# Altium PCB LimePSB-RPCM_1v2.PcbDoc (part 3 of 10) (continued)
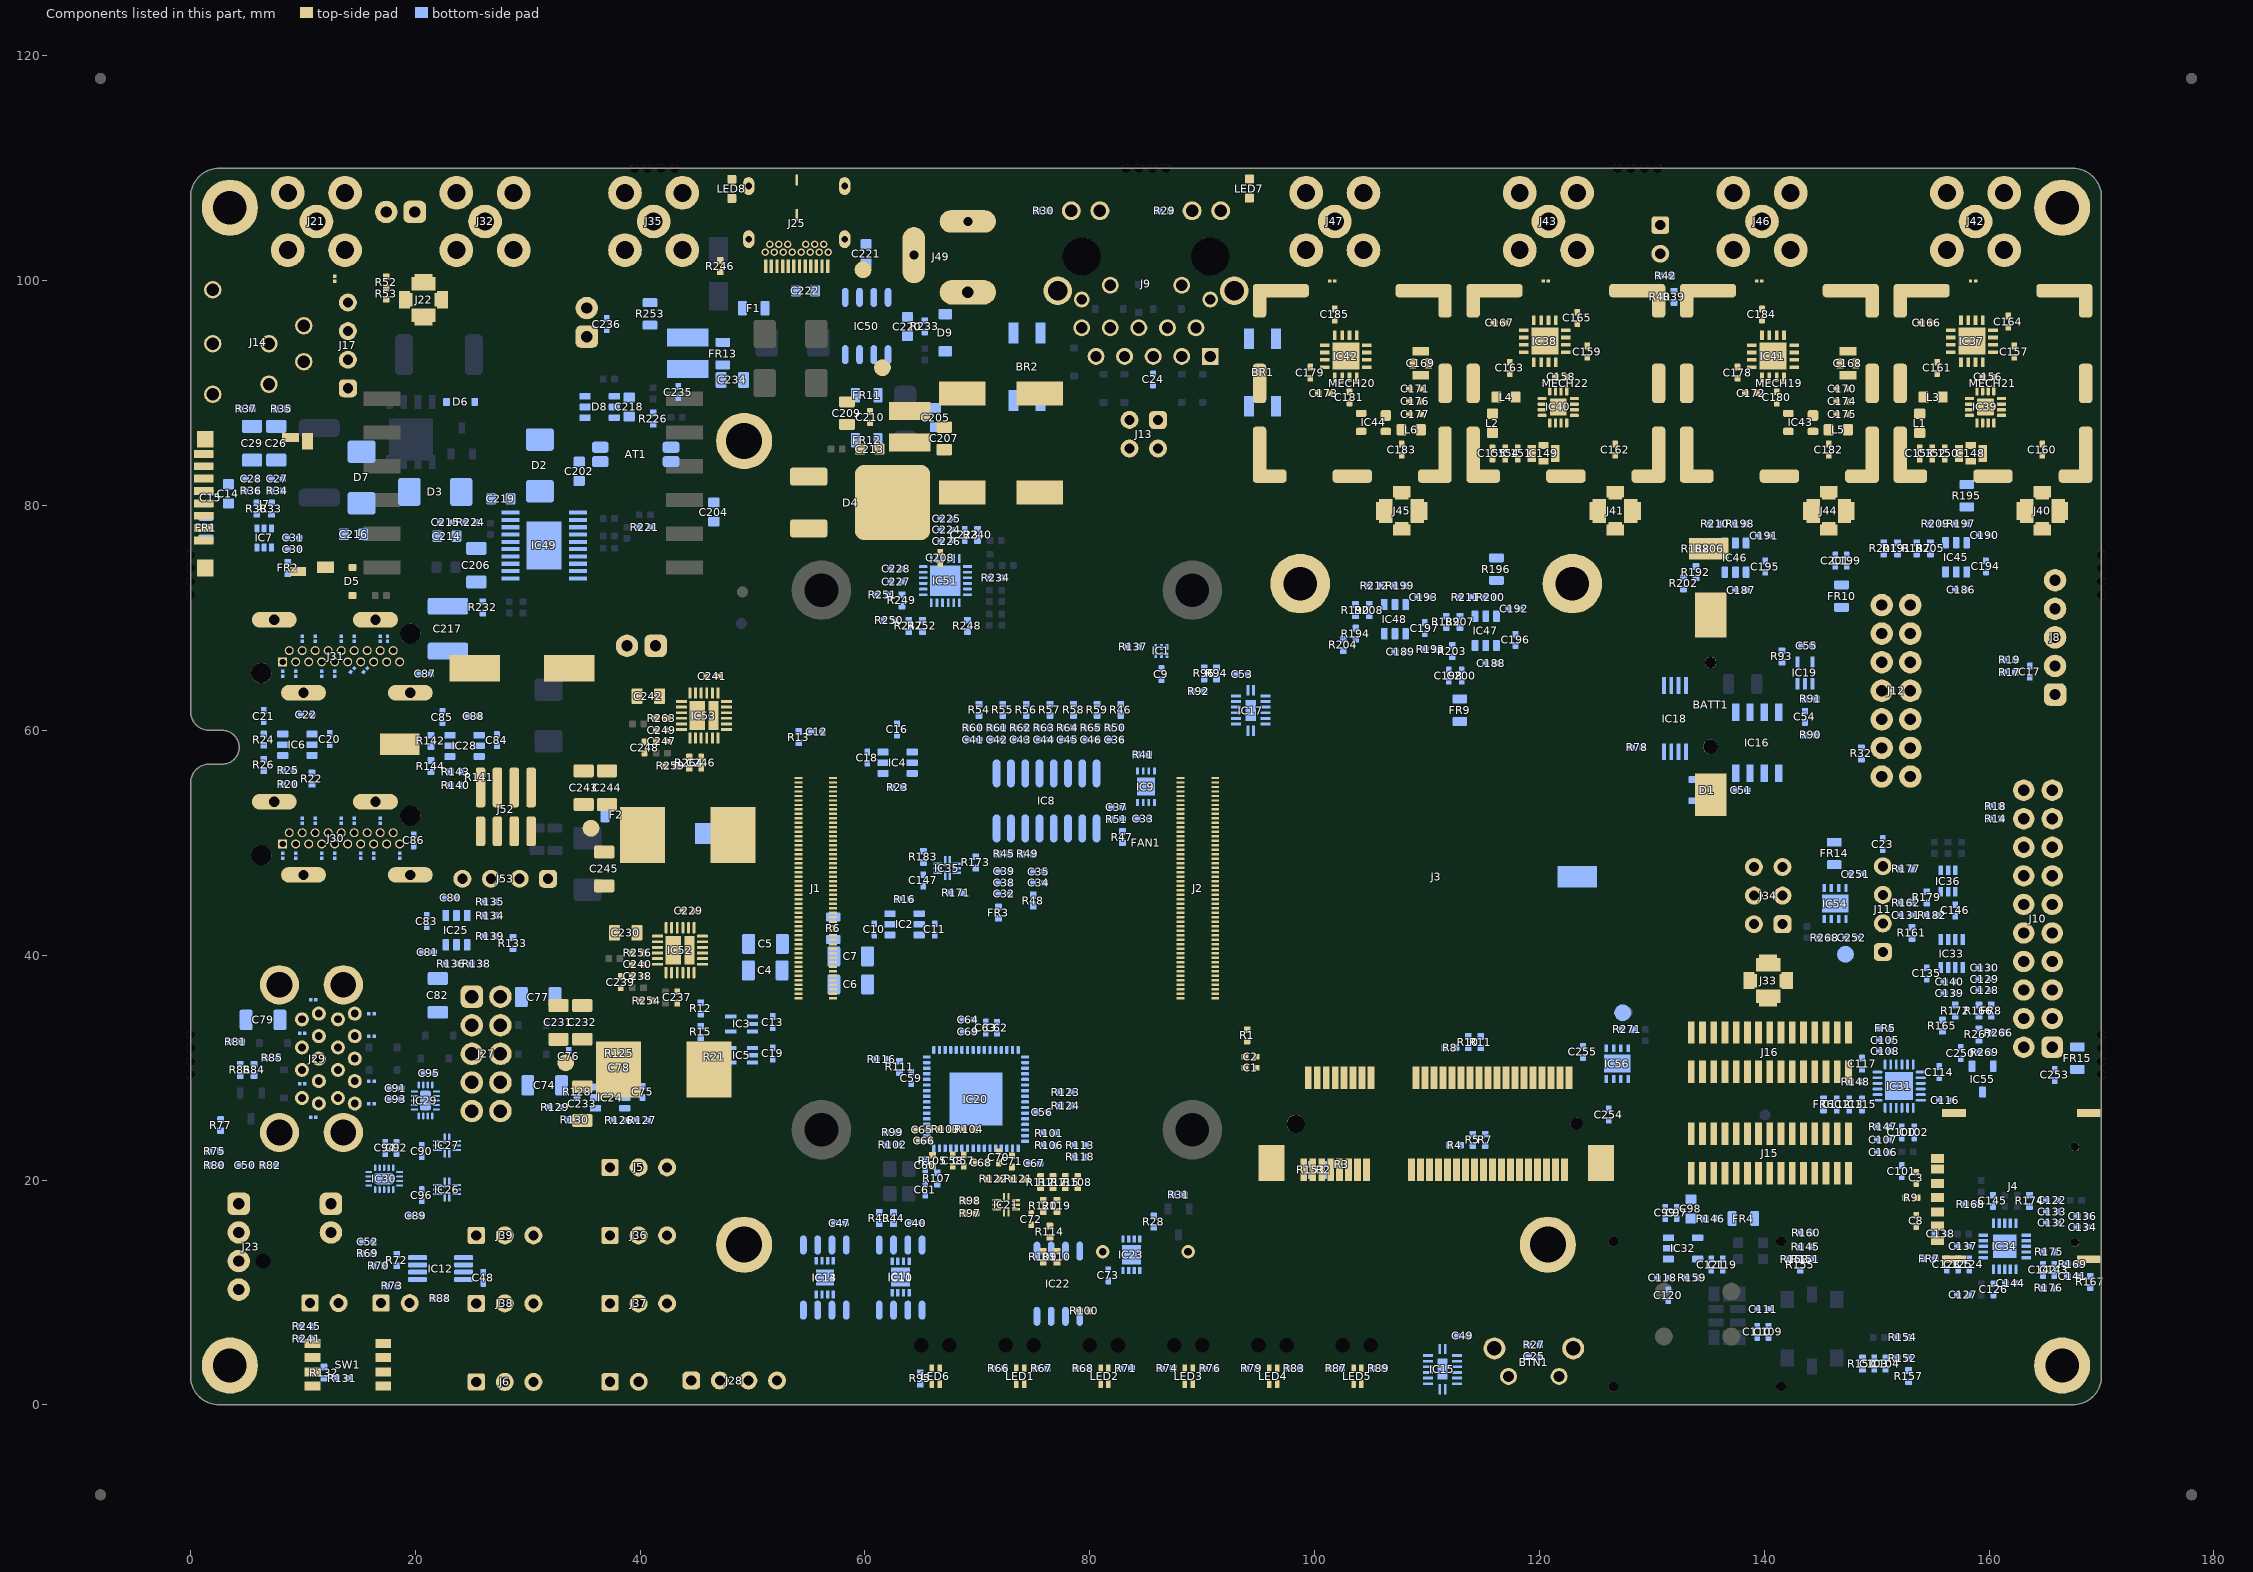
[diagram p7: the components of this part, seen from the top]
## Part data (continued)
ESD1 ESD2 ESD3 ESD4 ESD5 ESD6 ESD7 ESD8 ESD9 ESD10 ESD11 ESD12 ESD13 ESD14 ESD15 ESD16 ESD17 ESD18 ESD19 ESD20 ESD21 ESD22 ESD23 ESD24 ESD25 ESD26 ESD27 ESD28 ESD29 ESD30 ESD31 ESD32 ESD33 ESD34 ESD35 ESD36 ESD37: Capacitance @ Frequency="0.2pF @ 1MHz", Current - Peak Pulse (10/1000µs)="3A (8/20µs)", Manufacturer="ON Semiconductor", Manufacturer Part Number 1=ESD8472MUT5G, Operating Temperature="-55°C ~ 150°C (TJ)", Package / Case=2-XFDFN, Power - Peak Pulse=-, Power Line Protection=No, Supplier Device Package="2-X3DFN (0.62x0.32)", Supplier Part Number 1=ESD8472MUT5GOSCT-ND, Voltage - Breakdown (Min)=7V, Voltage - Clamping (Max) @ Ipp=14V, Voltage - Reverse Standoff (Typ)="5.3V (Max)", Applications="Automotive, RF Antenna", Category="Circuit Protection", ComponentLink1Description=http://www.onsemi.com/pub/Collateral/ESD8472-D.PDF, ComponentLink1URL=http://www.onsemi.com/pub/Collateral/ESD8472-D.PDF, Mounting Type="Surface Mount", Packaging="Cut Tape (CT)", Part Description="TVS DIODE 5.3VWM 14VC X3DFN2", Part Status=Active, Pricing 1="1=0.39, 10=0.315, 100=0.2142, 500=0.16068, 1000=0.12051 (USD)", RoHS="RoHS Compliant", Stock 1=2295, Supplier 1=Digi-Key, Type=Zener
F1 F2 R6 R195 R196 R253: library part Res_0402, Manufacturer="Vishay Dale", Manufacturer Part Number 1=CRCW08050000Z0EA, Operating Temperature="-55°C ~ 155°C", Package / Case="0805 (2012 Metric)", Power (Watts)="0.125W, 1/8W", Resistance (Ohms)=0.0, Supplier Part Number 1=541-0.0ATR-ND, Temperature Coefficient=-, Tolerance=Jumper, Category=Resistors, Composition="Thick Film", Features="Automotive AEC-Q200", Height="0.020\" (0.50mm)", Number of Terminations=2, Packaging="Tape & Reel (TR)", Part Description="RES SMD 0.0 OHM JUMPER 1/8W 0805", RoHS="RoHS Compliant", Size / Dimension="0.079\" L x 0.049\" W (2.00mm x 1.25mm)", Supplier 1=Digi-Key, Supplier Device Package="0805 (2012 Metric)"
  R6 R195 R196: Assembly Info=NF
FAN1: library part 12V_DC_FAN, Case/Package=Axial, Current Rating=163mA, Flammability Rating="UL94 V-0", Manufacturer=Sunon, Manufacturer Part Number 1=ME80151V1-000U-A99, Max Operating Temperature=158°C, Max Power Dissipation=1.96W, Min Operating Temperature=14°C, Package Quantity=30, Supplier Part Number 1=259-1649-ND, Airflow=37CFM, Approvals=UL,CE,TUV, Bearing Type=Vapo-Bearing, ComponentLink1Description=https://datasheet.ciiva.com/18514/me8015-u-18514537.pdf?src-supplier=Digi-Key, ComponentLink1URL=https://datasheet.ciiva.com/18514/me8015-u-18514537.pdf?src-supplier=Digi-Key, Housing Material=Thermoplastic, Noise=34.7dBA, Part Description="Fan Tubeaxial 12VDC Square - 80mm L x 80mm H Vapo-Bearing™ 37.0 CFM (1.04m³/min) 2 Wire Leads", Pricing 1="1=6,90000, 10=6,66700, 25=6,47400, 50=6,08860, 100=5,47200, 250=5,39488, 500=5,04808 (USD)", RoHS=Yes, RPM=3000RPM, Stock 1=1611, Supplier 1=Digi-Key, Termination="2 Wire Leads", Weight=0.15lb, Width=15mm
FR1 FR4 FR9 FR10 FR11 FR12 FR13 FR14 FR15: library part Ferrite, Current Rating=2A, DC Resistance (DCR)="100 mOhm Max", Impedance @ Frequency="600 Ohm @ 100MHz", Manufacturer="TDK Corporation", Manufacturer Part Number 1=MPZ2012S601AT000, Package / Case="0805 (2012 Metric)", Supplier Part Number 1=445-2206-2-ND, Category=Filters, Filter Type="Differential Mode - Single", Height (Max)="0.041\" (1.05mm)", Mounting Type="Surface Mount", Packaging="Tape & Reel (TR)", Part Description="FERRITE BEAD 600 OHM 0805 1LN", RoHS="RoHS Compliant", Size / Dimension="0.079\" L x 0.049\" W (2.00mm x 1.25mm)", Supplier 1=Digi-Key
  FR13 FR15: Assembly Info=NF
FR2 FR3 FR5 FR6 FR7 FR8: library part Ferrite, Case/Package=0402, Case Code (Metric)=1005, Current Rating=500mA, DC Resistance (DCR)=340mR, Manufacturer=Murata, Manufacturer Part Number 1=BLM15AX601SN1D, Max Operating Temperature=125°C, Min Operating Temperature=-55°C, Package Quantity=1, Supplier Part Number 1=490-5441-1-ND, Test Frequency=100MHz, Tolerance=25%, Case Code (Imperial)=0402, ComponentLink1Description=https://www.murata.com/en-us/products/productdata/8796740059166/ENFA0018.pdf?src-supplier=Digi-Key, ComponentLink1URL=https://www.murata.com/en-us/products/productdata/8796740059166/ENFA0018.pdf?src-supplier=Digi-Key, ComponentLink2Description=http://search.murata.co.jp/Ceramy/image/img/PDF/ENG/L0110S0100BLM15AX_SN.pdf?src-supplier=Future+Electronics, ComponentLink2URL=http://search.murata.co.jp/Ceramy/image/img/PDF/ENG/L0110S0100BLM15AX_SN.pdf?src-supplier=Future+Electronics, ComponentLink3Description=http://www.produktinfo.conrad.com/datenblaetter/1100000-1199999/001171675-da-01-en-CHIP_DROSSEL0402_600R_420MA_1_0X0_5MM.pdf?src-supplier=Conrad, ComponentLink3URL=http://www.produktinfo.conrad.com/datenblaetter/1100000-1199999/001171675-da-01-en-CHIP_DROSSEL0402_600R_420MA_1_0X0_5MM.pdf?src-supplier=Conrad, ComponentLink4Description=http://www.produktinfo.conrad.com/datenblaetter/1100000-1199999/001172169-da-01-en-DROSSEL_0402_600R_1_0X0_5MM_10000ST.pdf?src-supplier=Conrad, ComponentLink4URL=http://www.produktinfo.conrad.com/datenblaetter/1100000-1199999/001172169-da-01-en-DROSSEL_0402_600R_1_0X0_5MM_10000ST.pdf?src-supplier=Conrad, Core Material=Ferrite, DC Resistance-Max=340mR, Depth=0.5mm, Height=0.5mm, Impedance=600R, Lead Free="Lead Free", Length=1mm, Material=Steel,Ferrite, Max Current Rating=500mA, Max DC Current=500mA, Number of Circuits=1, Number of Lines=1, Number of Pins=2, Packaging="Tape and Reel", Part Description="- Ferrite Bead 0402 (1005 Metric) 500mA 340mOhm", Pricing 1="1=0.1, 10=0.06, 25=0.0552, 50=0.0496, 100=0.0363, 250=0.0264, 500=0.0242, 1000=0.0209, 5000=0.0165 (USD)", REACH SVHC="No SVHC", RoHS Compliant=Yes, Series=BLM15AX_SN, Stock 1=416370, Supplier 1=Digi-Key, Termination=SMD/SMT, Width=0.5mm
IC1: library part 74LVC1G3157FZ4_SPDT_SW, Manufacturer=Diodes, Manufacturer Part Number 1=74LVC1G3157FZ4-7, Max Operating Temperature=125°C, Min Operating Temperature=-40°C, On-State Resistance=10R, Supplier Part Number 1=74LVC1G3157FZ4-7DICT-ND, -3db Bandwidth=300MHz, ComponentLink1Description=https://www.diodes.com/assets/Datasheets/74LVC1G3157.pdf?src-supplier=Digi-Key, ComponentLink1URL=https://www.diodes.com/assets/Datasheets/74LVC1G3157.pdf?src-supplier=Digi-Key, ComponentLink2Description=https://www.diodes.com/assets/product-showcases/74LVC3157-NPA-0516.pdf?src-supplier=Digi-Key, ComponentLink2URL=https://www.diodes.com/assets/product-showcases/74LVC3157-NPA-0516.pdf?src-supplier=Digi-Key, Number of Circuits=1, Number of Pins=6, Packaging="Tape and Reel", Part Description="1 Circuit IC Switch 2:1 10Ohm X2-DFN1410-6", Pricing 1="1=0,42000, 10=0,31200, 25=0,27320, 100=0,17670, 250=0,14628, 500=0,11702, 1000=0,08972, 2500=0,07802 (USD)", RoHS=Yes, RoHS Compliant=Yes, Stock 1=158709, Supplier 1=Digi-Key
IC2 IC4: Case/Package=SOT-23-6, Manufacturer="Texas Instruments", Manufacturer Part Number 1=SN74AXC1T45DBVR, Max Operating Temperature=125°C, Min Operating Temperature=-40°C, Supplier Part Number 1=296-47598-1-ND, Assembly Info=NF, Channel Type=Bidirectional, ComponentLink1Description=http://www.ti.com/lit/ds/symlink/sn74axc1t45.pdf?src-supplier=Digi-Key, ComponentLink1URL=http://www.ti.com/lit/ds/symlink/sn74axc1t45.pdf?src-supplier=Digi-Key, ComponentLink2Description=http://www.ti.com/general/docs/suppproductinfo.tsp?distId=10&amp;gotoUrl=http%3A%2F%2Fwww.ti.com%2Flit%2Fgpn%2Fsn74axc1t45&src-supplier=Digi-Key, ComponentLink2URL=http://www.ti.com/general/docs/suppproductinfo.tsp?distId=10&amp;gotoUrl=http%3A%2F%2Fwww.ti.com%2Flit%2Fgpn%2Fsn74axc1t45&src-supplier=Digi-Key, Data Rate=500Mbps, Mount="Surface Mount", Number of Bits=1, Number of Circuits=1, Packaging="Cut Tape", Part Description="Voltage Level Translator Bidirectional 1 Circuit 1 Channel 500Mbps SOT-23-6", Pricing 1="1=0,68000, 10=0,59800, 25=0,56200, 100=0,45860, 250=0,42596, 500=0,36252, 1000=0,29002 (USD)", RoHS=Yes, RoHS Compliant=Yes, Stock 1=116252, Supplier 1=Digi-Key
IC3 IC5 IC19: library part 74AHCT1G126SE-7_BUFFER_NON_INV, Manufacturer=Diodes, Supplier Part Number 1=621-74LVC1G34QSE-7, ComponentLink1Description=https://datasheet.ciiva.com/12256/74ahct1g126-80154-12256741.pdf?src-supplier=Mouser, ComponentLink1URL=https://datasheet.ciiva.com/12256/74ahct1g126-80154-12256741.pdf?src-supplier=Mouser, ComponentLink2Description=https://datasheet.ciiva.com/26949/getdatasheetpartid-792439-26949318.pdf?src-supplier=Verical, ComponentLink2URL=https://datasheet.ciiva.com/26949/getdatasheetpartid-792439-26949318.pdf?src-supplier=Verical, ComponentLink3Description=https://datasheet.ciiva.com/1832/74ahct1g126-1832523.pdf?src-supplier=Digi-Key, ComponentLink3URL=https://datasheet.ciiva.com/1832/74ahct1g126-1832523.pdf?src-supplier=Digi-Key, ComponentLink4Description=https://datasheet.ciiva.com/1832/74ahct1g126-1832524.pdf?src-supplier=Digi-Key, ComponentLink4URL=https://datasheet.ciiva.com/1832/74ahct1g126-1832524.pdf?src-supplier=Digi-Key, ComponentLink5Description=https://datasheet.ciiva.com/1154/74ahct1g126-1154309.pdf?src-supplier=Element14, ComponentLink5URL=https://datasheet.ciiva.com/1154/74ahct1g126-1154309.pdf?src-supplier=Element14, ComponentLink6Description=https://datasheet.ciiva.com/26939/getdatasheetpartid-779272-26939183.pdf?src-supplier=Verical, ComponentLink6URL=https://datasheet.ciiva.com/26939/getdatasheetpartid-779272-26939183.pdf?src-supplier=Verical, Manufacturer Part Number 1=74LVC1G34QSE-7, Part Description="Buffers & Line Drivers Logic LVC 1 Gate SOT353 T&R 3K", Pricing 1="1=0,45000, 10=0,33900, 50=0,33900, 100=0,17800, 1000=0,11200, 10000=0,09400 (USD)", RoHS=Yes, Stock 1=1171, Supplier 1=Mouser
IC6 IC24 IC25 IC28 IC45 IC46 IC47 IC48: library part MIC2033_power_switch, Case/Package=SOT-23-6, Manufacturer=Microchip, Manufacturer Part Number 1=MIC2039EYM6-TR, Max Operating Temperature=125°C, Max Output Current=2.5A, Min Operating Temperature=-40°C, Package Quantity=3000, Supplier Part Number 1=576-4193-1-ND, ComponentLink1Description=http://www.mouser.com/ds/2/268/mic2033-b-1076865.pdf?src-supplier=Mouser, ComponentLink1URL=http://www.mouser.com/ds/2/268/mic2033-b-1076865.pdf?src-supplier=Mouser, ComponentLink2Description=http://components.arrow.com/part/dataview/56727820S413982N1374?src-supplier=Arrow+Electronics, ComponentLink2URL=http://components.arrow.com/part/dataview/56727820S413982N1374?src-supplier=Arrow+Electronics, ComponentLink3Description=http://www.microchip.com/mymicrochip/filehandler.aspx?ddocname=en579457&src-supplier=Digi-Key, ComponentLink3URL=http://www.microchip.com/mymicrochip/filehandler.aspx?ddocname=en579457&src-supplier=Digi-Key, ComponentLink4Description=https://datasheet.ciiva.com/6607/mic2039-6607725.pdf?src-supplier=Digi-Key, ComponentLink4URL=https://datasheet.ciiva.com/6607/mic2039-6607725.pdf?src-supplier=Digi-Key, Fault Protection="Over Temperature", Interface=On/Off, Number of Outputs=1, Output Configuration="High Side", Packaging="Tape and Reel", Part Description="Power Switch/Driver 1:1 P-Channel 2.5A SOT-23-6", Pricing 1="1=0,98000, 25=0,80560, 100=0,75000 (USD)", RoHS=No, Series=-, Stock 1=37195, Supplier 1=Digi-Key
IC7: library part NC7WZ16P6X_DUAL_BUFFER, Manufacturer=Nexperia, Manufacturer Part Number 1=74LVC2G34GW,125, Supplier Part Number 1=1727-4219-1-ND, ComponentLink1Description=https://assets.nexperia.com/documents/data-sheet/74LVC2G34.pdf?src-supplier=Digi-Key, ComponentLink1URL=https://assets.nexperia.com/documents/data-sheet/74LVC2G34.pdf?src-supplier=Digi-Key, Part Description="Buffer, Non-Inverting 2 Element 1 Bit per Element Push-Pull Output 6-TSSOP", Pricing 1="1=0,430000, 10=0,321000, 25=0,281200, 100=0,182000, 250=0,150640, 500=0,120520, 1000=0,092400 (USD)", RoHS=Yes, RoHS Compliant=Yes, Stock 1=2900, Supplier 1=Digi-Key
IC8: library part MCP3208-CI/SL, "2.7V 4-Channel/8-Channel 12-Bit A/D Converters with SPI Serial Interface, 16-Pin SOIC 150mil, C Performance Grade, Industrial Temperature", Manufacturer=Microchip, Manufacturer Part Number 1=MCP3208T-CI/SL, Supplier Part Number 1=MCP3208T-CI/SLCT-ND, Mounting Technology="Surface Mount", PackageDescription="16-Lead Plastic Small Outline (SL) - Narrow, 3.90mm Body [SOIC]", PackageReference=SOIC-SL16, PackageVersion="revBB, Aug-2009", Part Description="12 Bit Analog to Digital Converter 4, 8 Input 1 SAR 16-SOIC", PartNumber=MCP3208-CI/SL, Supplier 1=Digi-Key
IC9: Manufacturer="NXP Semiconductors", Manufacturer Part Number 1=LM75BTP,147, Operating Temperature="-55°C ~ 125°C", Package / Case="8-WFDFN Exposed Pad", Sensing Temperature - Remote=-, Supplier Device Package="8-HWSON (2x3)", Supplier Part Number 1=568-9815-2-ND, Voltage - Supply="2.8 V ~ 5.5 V", Accuracy - Highest (Lowest)="±2°C (±3°C)", Category="Sensors, Transducers", Features="Output Switch, Programmable Limit, Shutdown Mode", Output Type=I²C, Packaging="Tape & Reel (TR)", Part Description="SENSOR TEMPERATURE I2C 8HWSON", Resolution="10 b", RoHS="RoHS Compliant", Sensing Temperature - Local="-55°C ~ 125°C", Sensor Type="Digital, Local", Supplier 1=Digi-Key, Test Condition="-25°C ~ 100°C (-55°C ~ 125°C)"
IC10: library part 24FC64F, Base Part Number=CAT24C128, Manufacturer="ON Semiconductor", Operating Temperature="-40°C ~ 85°C (TA)", Package / Case="8-SOIC (0.154\", 3.90mm Width)", Supplier Device Package=8-SOIC, Supplier Part Number 1=CAT24C128WI-GT3CT-ND, Voltage - Supply="1.8 V ~ 5.5 V", Category="Integrated Circuits (ICs)", ComponentLink1Description=http://www.onsemi.com/pub/Collateral/CAT24C128-D.PDF, ComponentLink1URL=http://www.onsemi.com/pub/Collateral/CAT24C128-D.PDF, Manufacturer Part Number 1=CAT24C128WI-GT3, Memory Format=EEPROM, Memory Interface=I²C, Memory Size="128Kb (16K x 8)", Memory Type=Non-Volatile, Mounting Type="Surface Mount", Packaging="Cut Tape (CT)", Part Description="EEPROM Memory IC 128Kb (16K x 8) I²C 1MHz 400ns 8-SOIC", Part Status=Active, Pricing 1="1=0.31, 10=0.309, 100=0.2532, 500=0.24616, 1000=0.23956 (USD)", RoHS="RoHS Compliant", Stock 1=14804, Supplier 1=Digi-Key, Technology=EEPROM, Write Cycle Time - Word, Page=5ms
IC11: library part M24128-DFMC6TG, Manufacturer=STMicroelectronics, Operating Temperature="-40°C ~ 85°C (TA)", Package / Case="8-UFDFN Exposed Pad", Supplier Device Package="8-UFDFPN (2x3)", Supplier Part Number 1=497-15739-1-ND, Voltage - Supply="1.7 V ~ 5.5 V", Assembly Info=NF, Category="Integrated Circuits (ICs)", ComponentLink1Description=http://www.st.com/content/ccc/resource/technical/document/datasheet/59/05/c9/5b/7b/41/48/b6/CD00259167.pdf/files/CD00259167.pdf/jcr:content/translations/en.CD00259167.pdf, ComponentLink1URL=http://www.st.com/content/ccc/resource/technical/document/datasheet/59/05/c9/5b/7b/41/48/b6/CD00259167.pdf/files/CD00259167.pdf/jcr:content/translations/en.CD00259167.pdf, Manufacturer Part Number 1=M24128-DFMC6TG, Memory Format=EEPROM, Memory Interface=I²C, Memory Size="128Kb (16K x 8)", Memory Type=Non-Volatile, Mounting Type="Surface Mount", Packaging="Cut Tape (CT)", Part Description="EEPROM Memory IC 128Kb (16K x 8) I²C 1MHz 450ns 8-UFDFPN (2x3)", Part Status=Active, Pricing 1="1=0.35, 10=0.348, 100=0.2854, 500=0.27748, 1000=0.27004 (USD)", RoHS="RoHS Compliant", Stock 1=5894, Supplier 1=Digi-Key, Technology=EEPROM, Write Cycle Time - Word, Page=5ms
IC12: library part EMC2301-1-ACZL-TR_MOTOR_DRIVER, Case/Package=MSOP, Manufacturer=Microchip, Max Operating Temperature=125°C, Max Supply Voltage=3.6V, Min Operating Temperature=-40°C, Min Supply Voltage=3V, Operating Supply Current=350uA, Operating Supply Voltage=3.3V, Supplier Part Number 1=EMC2301-1-ACZL-CT-ND, ComponentLink1Description=https://datasheet.ciiva.com/29573/2301-29573777.pdf?src-supplier=Digikey, ComponentLink1URL=https://datasheet.ciiva.com/29573/2301-29573777.pdf?src-supplier=Digikey, ComponentLink2Description=https://datasheet.ciiva.com/48437/2301-48437622.pdf?src-supplier=Avnet, ComponentLink2URL=https://datasheet.ciiva.com/48437/2301-48437622.pdf?src-supplier=Avnet, Interface=I2C,SMBus,2-Wire,PWM, Lead Free="Lead Free", Manufacturer Part Number 1=EMC2301-1-ACZL-TR, Max Supply Voltage (DC)=3.6V, Min Supply Voltage (DC)=3V, Mount="Surface Mount", Number of Pins=8, Output Type=Digital, Packaging="Tape and Reel", Part Description="IC MOTOR DRIVER 3V-3.6V 8MSOP", Pricing 1="1=1,23, 25=1,03, 100=0,9875 (USD)", RoHS=Yes, Series=-, Stock 1=45372, Supplier 1=Digikey
IC13: library part ATECC508A_authentication_IC, Base Part Number=ATECC508, Manufacturer="Microchip Technology", Manufacturer Part Number 1=ATECC508A-SSHDA-T, Package / Case="8-SOIC (0.154\", 3.90mm Width)", Supplier Device Package=8-SOIC, Supplier Part Number 1=ATECC508A-SSHDA-TCT-ND, Applications="Networking and Communications", Assembly Info=NF, Category="Integrated Circuits (ICs)", Mounting Type="Surface Mount", Packaging="Cut Tape (CT)", Part Description="Authentication Chip IC Networking and Communications 8-SOIC", Part Status=Active, RoHS="RoHS Compliant", Supplier 1=Digi-Key, Type="Authentication Chip"
IC14: library part ATECC508A_authentication_IC, Manufacturer=Microchip, Manufacturer Part Number 1=ATECC508A-MAHDA-S, Supplier Part Number 1=ATECC508A-MAHDA-SDKR-ND, Part Description="Authentication Chip IC Networking and Communications 8-UDFN (2x3)", Pricing 1="1=0.73, 25=0.7064 (USD)", Stock 1=27941, Supplier 1=Digi-Key
IC15 IC17: library part 74HC595BQ,115, Manufacturer="Nexperia USA Inc.", Manufacturer Part Number 1=74AHC595BQ,115, Operating Temperature="-40°C ~ 125°C", Package / Case="16-VFQFN Exposed Pad", Supplier Device Package="16-DHVQFN (2.5x3.5)", Supplier Part Number 1=1727-6021-2-ND, Voltage - Supply="2 V ~ 5.5 V", Base Part Number=74AHC595, Category="Integrated Circuits (ICs)", ComponentLink1Description=https://assets.nexperia.com/documents/data-sheet/74AHC_AHCT595.pdf, ComponentLink1URL=https://assets.nexperia.com/documents/data-sheet/74AHC_AHCT595.pdf, Function="Serial to Parallel, Serial", Logic Type="Shift Register", Mounting Type="Surface Mount", Output Type=Tri-State, Packaging="Tape & Reel (TR)", Part Description="C 8BIT SHIFT REGISTER 16-DHVQFN", Part Status=Active, Pricing 1="3000=0.17949, 6000=0.16791, 15000=0.15633, 30000=0.14822 (USD)", RoHS="RoHS Compliant", Stock 1=24000, Supplier 1=Digi-Key
IC16: library part PCF85063AT_RTC_CALENDAR, Case/Package=SOIC, Manufacturer="NXP Semiconductors", Manufacturer Part Number 1=PCF85063AT/AY, Max Operating Temperature=85°C, Min Operating Temperature=-40°C, Supplier Part Number 1=568-12403-1-ND, ComponentLink1Description=http://www.farnell.com/datasheets/2014362.pdf?src-supplier=Farnell, ComponentLink1URL=http://www.farnell.com/datasheets/2014362.pdf?src-supplier=Farnell, ComponentLink2Description=https://www.nxp.com/docs/en/data-sheet/PCF85063A.pdf?src-supplier=Digi-Key, ComponentLink2URL=https://www.nxp.com/docs/en/data-sheet/PCF85063A.pdf?src-supplier=Digi-Key, ComponentLink3Description=http://www.nxp.com/documents/data_sheet/PCF85063A.pdf?src-supplier=Avnet, ComponentLink3URL=http://www.nxp.com/documents/data_sheet/PCF85063A.pdf?src-supplier=Avnet, ComponentLink4Description=https://datasheet.ciiva.com/48465/pcf85063a-48465101.pdf?src-supplier=Avnet, ComponentLink4URL=https://datasheet.ciiva.com/48465/pcf85063a-48465101.pdf?src-supplier=Avnet, Date Format=YY-MM-DD-dd, Interface=I2C,Serial,2-Wire, Lead Free="Lead Free", Logic Function=Clock, Mount="Surface Mount", Number of Pins=8, Packaging="Tape and Reel", Part Description="IC RTC CLOCK/CALENDAR I2C 8SO", Pricing 1="1=1,05000, 10=0,93800, 25=0,89040, 100=0,73150, 250=0,68380, 500=0,60428, 1000=0,47707 (USD)", Radiation Hardening=No, RoHS=Yes, RoHS Compliant=Yes, Stock 1=6716, Supplier 1=Digi-Key, Time Format="HH:MM:SS (12/24 hr)"
IC18: library part PCF85063AT_RTC_CALENDAR, Case/Package=TSSOP, Manufacturer="NXP Semiconductors", Manufacturer Part Number=PCF85063ATT/AJ, Max Operating Temperature=85°C, Max Supply Voltage=5.5V, Min Operating Temperature=-40°C, Min Supply Voltage=900mV, Supplier Part Number 1=568-12404-1-ND, Assembly Info=NF, ComponentLink1Description=http://www.farnell.com/datasheets/2014362.pdf?src-supplier=Farnell, ComponentLink1URL=http://www.farnell.com/datasheets/2014362.pdf?src-supplier=Farnell, ComponentLink2Description=https://www.nxp.com/docs/en/data-sheet/PCF85063A.pdf?src-supplier=Digi-Key, ComponentLink2URL=https://www.nxp.com/docs/en/data-sheet/PCF85063A.pdf?src-supplier=Digi-Key, ComponentLink3Description=http://www.nxp.com/documents/data_sheet/PCF85063A.pdf?src-supplier=Avnet, ComponentLink3URL=http://www.nxp.com/documents/data_sheet/PCF85063A.pdf?src-supplier=Avnet, Contact Plating=Gold, Date Format=YY-MM-DD-dd, Interface=I2C,Serial,2-Wire, Lead Free="Lead Free", Logic Function=Clock, Manufacturer Part Number 1=PCF85063ATT/AJ, Mount="Surface Mount", Number of Pins=8, Packaging="Tape and Reel", Part Description="Real Time Clock (RTC) IC Clock/Calendar - I²C, 2-Wire Serial 8-SOIC (0.154\", 3.90mm Width)", Pricing 1="1=1,06000, 10=0,94800, 25=0,89920, 100=0,73870, 250=0,69056, 500=0,61028, 1000=0,50779 (USD)", RoHS=Yes, RoHS Compliant=Yes, Stock 1=56211, Supplier 1=Digi-Key, Time Format="HH:MM:SS (12/24 hr)"
IC20: library part USB2517-JZX-TR_USB_HUB, Manufacturer=Microchip, Manufacturer Part Number 1=USB2517-JZX-TR, Max Operating Temperature=70°C, Min Operating Temperature=0°C, Operating Supply Current=130mA, Package Quantity=3000, Supplier Part Number 1=USB2517-JZX-CT-ND, ComponentLink1Description=https://datasheet.ciiva.com/29644/2517-29644802.pdf?src-supplier=Digi-Key, ComponentLink1URL=https://datasheet.ciiva.com/29644/2517-29644802.pdf?src-supplier=Digi-Key, Interface=USB, Lead Free="Lead Free", Packaging="Tape and Reel", Part Description="USB Hub Controller USB 2.0 USB Interface 64-QFN (9x9)", Pricing 1="1=5,72000, 25=5,55000 (USD)", RoHS=Yes, RoHS Compliant=Yes, Stock 1=26622, Supplier 1=Digi-Key
IC21 IC26 IC27 IC35: library part FSUSB42UMX, Manufacturer="NXP Semiconductors", Manufacturer Part Number 1=NX3DV42GU,115, Supplier Part Number 1=568-12388-1-ND, ComponentLink1Description=https://www.fairchildsemi.com/datasheets/FS/FSUSB42.pdf, ComponentLink1URL=https://www.fairchildsemi.com/datasheets/FS/FSUSB42.pdf, ComponentLink2Description=http://www.mouser.com/ds/2/302/NX3DV42-1127466.pdf?src-supplier=Mouser, ComponentLink2URL=http://www.mouser.com/ds/2/302/NX3DV42-1127466.pdf?src-supplier=Mouser, ComponentLink3Description=http://www.nxp.com/documents/data_sheet/NX3DV42.pdf?src-supplier=Avnet, ComponentLink3URL=http://www.nxp.com/documents/data_sheet/NX3DV42.pdf?src-supplier=Avnet, ComponentLink4Description=http://www.nxp.com/documents/data_sheet/NX3DV42.pdf?src-supplier=Digikey, ComponentLink4URL=http://www.nxp.com/documents/data_sheet/NX3DV42.pdf?src-supplier=Digikey, ComponentLink5Description=https://www.nxp.com/docs/en/data-sheet/NX3DV42.pdf?src-supplier=Digikey, ComponentLink5URL=https://www.nxp.com/docs/en/data-sheet/NX3DV42.pdf?src-supplier=Digikey, Part Description="USB Switch IC 1 Channel 10-UMLP (1.8x1.4)", Pricing 1="1=0,89, 10=0,781, 25=0,7336, 100=0,5987, 250=0,55612, 500=0,47328, 1000=0,37863 (USD)", RoHS=Yes, Stock 1=3109, Supplier 1=Digikey
IC22: library part 24FC64F, Case/Package=SOIC, Frequency=400kHz, Manufacturer=STMicroelectronics, Manufacturer Part Number 1=M24C02-RMN6TP, Max Operating Temperature=85°C, Max Supply Voltage=5.5V, Min Operating Temperature=-40°C, Min Supply Voltage=1.8V, Nominal Supply Current=800uA, Package Quantity=1, Supplier Part Number 1=497-8633-1-ND, Access Time=900ns, Access Time-Max=900ns, Assembly Info=NF, ComponentLink1Description=http://www.onsemi.com/pub/Collateral/CAT24C128-D.PDF, ComponentLink1URL=http://www.onsemi.com/pub/Collateral/CAT24C128-D.PDF, ComponentLink2Description=https://datasheet.ciiva.com/41455/001186000-da-01-en-ic-eeprom-2kbit-m24c02-rmn6tp-soic-8-stm-41455162.pdf?src-supplier=Conrad, ComponentLink2URL=https://datasheet.ciiva.com/41455/001186000-da-01-en-ic-eeprom-2kbit-m24c02-rmn6tp-soic-8-stm-41455162.pdf?src-supplier=Conrad, Contact Plating=Gold, Density=2Kb, Height=1.25mm, Interface=I2C,Serial,2-Wire, Lead Free="Lead Free", Length=4.9mm, Max Frequency=400kHz, Memory Size=2Kb, Memory Type=EEPROM, Mount="Surface Mount", Number of Pins=8, Organization=256X8, Packaging="Tape and Reel", Part Description="IC EEPROM 2KBIT I2C 400KHZ 8SOIC", Pricing 1="1=0,17000, 10=0,16400, 25=0,15200, 50=0,15140, 100=0,13440, 250=0,13272, 500=0,13070, 1000=0,12721 (USD)", Programming Voltage=5.5V, Radiation Hardening=No, Reach SVHC Compliant=Yes, RoHS=Yes, RoHS Compliant=Yes, Series=-, Stock 1=84403, Supplier 1=Digi-Key, Supply Current=800uA, Supply Voltage-Nom=5.5V, Width=3.9mm, Write Cycle Time-Max (tWC)=5ms, Write Protection=YES
IC23: library part M24128-DFMC6TG, Manufacturer=Microchip, Manufacturer Part Number 1=AT24C02C-MAHM-E, Supplier Part Number 1=AT24C02C-MAHM-ECT-ND, Assembly Info=NF, ComponentLink1Description=http://www.st.com/content/ccc/resource/technical/document/datasheet/59/05/c9/5b/7b/41/48/b6/CD00259167.pdf/files/CD00259167.pdf/jcr:content/translations/en.CD00259167.pdf, ComponentLink1URL=http://www.st.com/content/ccc/resource/technical/document/datasheet/59/05/c9/5b/7b/41/48/b6/CD00259167.pdf/files/CD00259167.pdf/jcr:content/translations/en.CD00259167.pdf, ComponentLink2Description=http://www.microchip.com/mymicrochip/filehandler.aspx?ddocname=en590438&src-supplier=Digi-Key, ComponentLink2URL=http://www.microchip.com/mymicrochip/filehandler.aspx?ddocname=en590438&src-supplier=Digi-Key, Part Description="IC EEPROM 2KBIT I2C 1MHZ 8UDFN", Pricing 1="1=0,28000 (USD)", RoHS=No, RoHS Compliant=No, Stock 1=14438, Supplier 1=Digi-Key
IC29 IC30: library part FUSB340TMX_USB_switch, Manufacturer="ON Semiconductor / Fairchild", Max Operating Temperature=85°C, Max Supply Voltage=5V, Min Operating Temperature=-40°C, Min Supply Voltage=1.5V, Nominal Supply Current=12uA, Supplier Part Number 1=FUSB340TMXCT-ND, ComponentLink1Description=http://www.farnell.com/datasheets/2313412.pdf?src-supplier=Farnell, ComponentLink1URL=http://www.farnell.com/datasheets/2313412.pdf?src-supplier=Farnell, ComponentLink2Description=http://www.farnell.com/datasheets/2313412.pdf?src-supplier=Newark, ComponentLink2URL=http://www.farnell.com/datasheets/2313412.pdf?src-supplier=Newark, ComponentLink3Description=https://datasheet.octopart.com/FUSB340TMX-ON-Semiconductor-datasheet-85553255.pdf?src-supplier=Farnell, ComponentLink3URL=https://datasheet.octopart.com/FUSB340TMX-ON-Semiconductor-datasheet-85553255.pdf?src-supplier=Farnell, ComponentLink4Description=https://datasheet.octopart.com/FUSB340TMX-ON-Semiconductor-datasheet-46935021.pdf?src-supplier=Future+Electronics, ComponentLink4URL=https://datasheet.octopart.com/FUSB340TMX-ON-Semiconductor-datasheet-46935021.pdf?src-supplier=Future+Electronics, ComponentLink5Description=https://www.fairchildsemi.com/Assets/-Featured-Collateral/Datasheet-Briefs/FUSB340_PB_Final.pdf?src-supplier=Avnet, ComponentLink5URL=https://www.fairchildsemi.com/Assets/-Featured-Collateral/Datasheet-Briefs/FUSB340_PB_Final.pdf?src-supplier=Avnet, Data Rate=10Gbps, Height=400um, Interface=USB, Manufacturer Part Number 1=FUSB340TMX, Mount="Surface Mount", Number of Pins=18, Number of Switches=4, Operating Supply Current=12uA, Packaging="Cut Tape", Part Description="USB Switch USB 3.1 USB Interface 18-TMLP (2x2.8)", Pricing 1="1=1,15, 10=1,026, 25=0,9744, 100=0,7481, 250=0,66108, 500=0,6263, 1000=0,48712, 2500=0,46277 (USD)", RoHS=Yes, RoHS Compliant=Yes, Series=-, Stock 1=7942, Supplier 1=Digikey, Weight=0.0065g
IC31: Frequency - Max=200MHz, Manufacturer="Texas Instruments", Manufacturer Part Number 1=LMK00105SQ/NOPB, Operating Temperature="-40°C ~ 85°C", Package / Case="24-WFQFN Exposed Pad", Supplier Device Package="24-WQFN (4x4)", Supplier Part Number 1=LMK00105SQ/NOPBCT-ND, Voltage - Supply="2.375 V ~ 3.45 V", Category="Integrated Circuits (ICs)", Differential - Input:Output=Yes/No, Input="HCSL, LVCMOS, LVDS, LVPECL, LVTTL, SSTL, Crystal", Part Description="IC CLK BUFFER 2:5 200MHZ 24WQFN", Supplier 1=Digi-Key, Type="Fanout Buffer (Distribution), Multiplexer, Translator"
IC32: library part LP5907, Case/Package=SOT-23-5, Dropout Voltage=50mV, Manufacturer="Texas Instruments", Manufacturer Part Number 1=LP5907QMFX-3.0Q1, Max Input Voltage=5.5V, Max Operating Temperature=125°C, Max Output Current=250mA, Min Input Voltage=2.2V, Min Operating Temperature=-40°C, Output Voltage=3V, Quiescent Current=425uA, Supplier Part Number 1=296-40364-1-ND, Accuracy=2%, Assembly Info=NF, ComponentLink1Description=https://datasheet.ciiva.com/48677/lp5907-q1-48677562.pdf?src-supplier=Avnet, ComponentLink1URL=https://datasheet.ciiva.com/48677/lp5907-q1-48677562.pdf?src-supplier=Avnet, Lead Free="Lead Free", Mount="Surface Mount", Number of Outputs=1, Number of Regulators=1, Output Current=250mA, Output Type=Fixed, Packaging="Tape and Reel", Part Description="Linear Voltage Regulator IC Positive Fixed 1 Output  250mA SOT-23-5", Polarity=Positive, Pricing 1="1 = 0,65000, 10 = 0,56000, 100 = 0,41820, 500 = 0,32858, 1000 = 0,25390 (USD)", Radiation Hardening=No, RoHS=Yes, Stock 1=90911, Supplier 1=Digi-Key
IC33: Manufacturer="Analog Devices Inc.", Manufacturer Part Number 1=AD5662BRJZ-2REEL7, Operating Temperature="-40°C ~ 125°C", Package / Case=SOT-23-8, Supplier Part Number 1=AD5662BRJZ-2REEL7CT-ND, Voltage - Supply, Analog="2.7 V ~ 5.5 V", Architecture="String DAC", Category="Integrated Circuits (ICs)", ComponentLink1Description=http://www.analog.com/media/en/technical-documentation/data-sheets/AD5662.pdf, ComponentLink1URL=http://www.analog.com/media/en/technical-documentation/data-sheets/AD5662.pdf, Data Interface="SPI, DSP", Differential Output=No, INL/DNL (LSB)="±8, ±1 (Max)", Number of Bits=16, Number of D/A Converters=1, Output Type="Voltage - Buffered", Packaging="Cut Tape (CT)", Part Description="IC DAC 16BIT BUFF V-OUT SOT23-8", Part Status=Active, Pricing 1="1=7.55, 10=6.821, 100=5.6469, 500=4.91722, 1000=4.28274 (USD)", Reference Type=External, RoHS="RoHS Compliant", Settling Time=10µs, Stock 1=2784, Supplier 1=Digi-Key, Supplier Device Package=SOT-23-8, Voltage - Supply, Digital="2.7 V ~ 5.5 V"
IC34: Manufacturer="Analog Devices Inc", Manufacturer Part Number 1=ADF4002BCPZ-RL7, Operating Temperature="-40°C ~ 85°C", Package / Case="20-VFQFN Exposed Pad, CSP", Supplier Part Number 1=ADF4002BCPZ-RL7CT-ND, Voltage - Supply="2.7 V ~ 3.3 V", Category="Integrated Circuits (ICs)", Differential - Input:Output=Yes/No, Input="CMOS, TTL", Mounting Type="Surface Mount", Part Description="IC PLL FREQUENCY SYNTH 20-LFCSP", Ratio - Input:Output=2:1, Supplier=Digi-Key, Supplier 1=Digi-Key, Type="Clock/Frequency Synthesizer (RF), Phase Detector"
IC36: "Single 8-Bit nanoDAC with SPI Interface in LFCSP and SC70, 2.7 to 5.5 V, <100 uA, -40 to +125 degC, KS-6, Pb-Free, Reel", Generic Part Number=AD5601, Manufacturer="Analog Devices", Supplier Part Number 1=AD5601BKSZ-REEL7TR-ND, # DAC Outputs=1, Assembly Info=NF, Code_JEDEC=MO-203-AB, ComponentLink1Description="Manufacturer URL", ComponentLink1URL=http://www.analog.com/en/index.html, ComponentLink2Description=Datasheet, ComponentLink2URL=http://www.analog.com/static/imported-files/data_sheets/AD5601_5611_5621.pdf, ComponentLink3Description="Package Specification", ComponentLink3URL=http://www.analog.com/static/imported-files/packages/PKG_PDF/SC70(KS)/KS_6.pdf, ComponentLink4Description="Product URL", ComponentLink4URL=http://www.analog.com/en/digital-to-analog-converters/da-converters/ad5601/products/product.html, DatasheetVersion=Rev.F, Manufacturer Part Number 1=AD5601BKSZ-REEL7, Max V+=5.5V, Mounting Technology="Surface Mount", Op Pwr Diss=550µW, PackageDescription="6-Lead Thin Shrink Small Outline Transistor Package [SC70]", PackageReference=KS-6, PackageVersion=072809-A, Packing=Reel, Part Description="IC DAC 8BIT BUFF V-OUT SC70-6", PartNumber=AD5601BKSZ-REEL7, Resolution (Bits)=8, RoHS=Y, Settling Time=6µs, Single Supply=Yes, Supplier 1=Digi-Key, Supplier 2=Digi-Key, Supplier 3=Digi-Key, Supplier 4=Farnell, Supplier 5=Newark, Supplier 6=Newark, Supplier 7=Mouser, Supplier Part Number 2=AD5601BKSZ-REEL7CT-ND, Supplier Part Number 3=AD5601BKSZ-REEL7DKR-ND, Supplier Part Number 4=2312971, Supplier Part Number 5=59K4256, Supplier Part Number 6=67W3160, Supplier Part Number 7=584-AD5601BKSZ-R7
IC37 IC38 IC41 IC42: library part SKY13286-359LF_RF_switch, Case/Package=QFN, Frequency=6GHz, Manufacturer="Skyworks Solutions", Manufacturer Part Number 1=SKY13286-359LF, Max Operating Temperature=95°C, Max Supply Voltage=5.5V, Min Frequency=100MHz, Min Operating Temperature=-40°C, Min Supply Voltage=2.7V, Operating Frequency="100 MHz to 6 GHz", Package Quantity=1, Supplier Part Number 1=863-1049-1-ND, ComponentLink1Description=https://datasheet.ciiva.com/15100/getdatasheetpartid-656005-15100455.pdf?src-supplier=Verical, ComponentLink1URL=https://datasheet.ciiva.com/15100/getdatasheetpartid-656005-15100455.pdf?src-supplier=Verical, ComponentLink2Description=https://datasheet.ciiva.com/12080/200570h-20342-12080171.pdf?src-supplier=Mouser, ComponentLink2URL=https://datasheet.ciiva.com/12080/200570h-20342-12080171.pdf?src-supplier=Mouser, Contact Plating=Tin,Matte, IIP3=46dBm, Impedance=50R, Insertion Loss=1.8dB, Max Frequency=6GHz, Mount="Surface Mount", Number of Pins=16, Number of Switches=3, P1dB=30dBm, Packaging="Tape and Reel", Part Description="RF Switch IC GSM, ISM, PCS, WCDMA SPDT 6 GHz 50Ohm 16-QFN (4x4)", Pricing 1="1=3,45000, 10=3,09600, 25=2,92720, 100=2,53700, 250=2,40684, 500=2,15966, 1000=1,95150 (USD)", Radiation Hardening=No, REACH SVHC=Unknown, RoHS=Yes, RoHS Compliant=Yes, Series=-, Stock 1=60609, Supplier 1=Digi-Key, Termination=SMD/SMT, Throw Configuration=SPDT, Turn-Off Delay Time=50ns, Turn-On Delay Time=50ns
IC39 IC40: library part TQP3M9018_PA, Manufacturer=Qorvo, Manufacturer Part Number 1=TQP3M9019, Supplier Part Number 1=772-TQP3M9019, Part Description="RF Amplifier .05-4GHz P1dB= 22dB Gain 26.4dB 5Volts", Pricing 1="1=7,48, 10=7,48, 50=5,43, 100=4,41, 1000=2,44, 10000=2,35 (USD)", RoHS=Yes, Stock 1=6804, Supplier 1=Mouser
IC43 IC44: library part SPF5043Z_RF_LNA, Manufacturer=Qorvo, Supplier Part Number 1=772-SPF5043Z, Manufacturer Part Number 1=SPF5043Z, Part Description="RF Amplifier .05-4GHz SSG 12.9dB NF .8dB GaAs", Pricing 1="1=3,68000, 10=3,68000, 50=2,67000, 100=2,17000, 1000=1,20000, 10000=1,06000 (USD)", RoHS=Yes, RoHS Compliant=Yes, Stock 1=151851, Supplier 1=Mouser
IC49: library part NCP1083_PoE_controller, Case/Package=TSSOP, Frequency=500kHz, Manufacturer="ON Semiconductor", Manufacturer Part Number=NCP1083DER2G, Max Operating Temperature=85°C, Max Power Dissipation=40W, Min Operating Temperature=-40°C, Nominal Supply Current=1.1A, Output Voltage=9V, Package Quantity=2500, Supplier Part Number 1=NCP1083DER2GOSCT-ND, ComponentLink1Description=https://datasheet.ciiva.com/9213/ncp1083-d-9213696.pdf?src-supplier=Avnet, ComponentLink1URL=https://datasheet.ciiva.com/9213/ncp1083-d-9213696.pdf?src-supplier=Avnet, ComponentLink2Description=https://datasheet.ciiva.com/1573/1441870-1573173.pdf?src-supplier=Farnell, ComponentLink2URL=https://datasheet.ciiva.com/1573/1441870-1573173.pdf?src-supplier=Farnell, ComponentLink3Description=https://datasheet.ciiva.com/1647/1441870-1647157.pdf?src-supplier=Newark, ComponentLink3URL=https://datasheet.ciiva.com/1647/1441870-1647157.pdf?src-supplier=Newark, ComponentLink4Description=https://datasheet.ciiva.com/1573/1441870-1573174.pdf?src-supplier=Farnell, ComponentLink4URL=https://datasheet.ciiva.com/1573/1441870-1573174.pdf?src-supplier=Farnell, ComponentLink5Description=https://datasheet.ciiva.com/16469/ncp1083-d-16469798.pdf?src-supplier=Future+Electronics, ComponentLink5URL=https://datasheet.ciiva.com/16469/ncp1083-d-16469798.pdf?src-supplier=Future+Electronics, ComponentLink6Description=https://datasheet.ciiva.com/1512/1441870-1512909.pdf?src-supplier=Element14, ComponentLink6URL=https://datasheet.ciiva.com/1512/1441870-1512909.pdf?src-supplier=Element14, Halogen Free="Halogen Free", Lead Free="Lead Free", Manufacturer Part Number 1=NCP1083DER2G, Max Duty Cycle=80%, Number of Channels=1, Number of Outputs=1, Number of Pins=20, Output Current=1.1A, Packaging="Tape and Reel", Part Description="Power Over Ethernet Controller 1 Channel 802.3at (PoE+), 802.3af (PoE) 20-TSSOP-EP", Pricing 1="1=4,10000, 10=3,68200, 25=3,48120, 100=3,01700, 250=2,86228, 500=2,56832, 1000=2,16605 (USD)", Radiation Hardening=No, REACH SVHC="No SVHC", RoHS=Yes, RoHS Compliant=Yes, Series=-, Stock 1=12659, Supplier 1=Digi-Key, Supply Current=1.1A, Switching Frequency=500kHz, Topology=Flyback